# Altium PCB HRADC_Board_v2_0.PcbDoc (part 2 of 4)
Units mm, origin at the board's own origin, x right, y up, seen from the top; angles counter-clockwise.
Board outline 160 x 100 mm, 4 copper layers (Top Layer, Power Plane, Ground Planes, Bottom Layer); 306 components, 238 nets, 1267 pads, 372 vias.
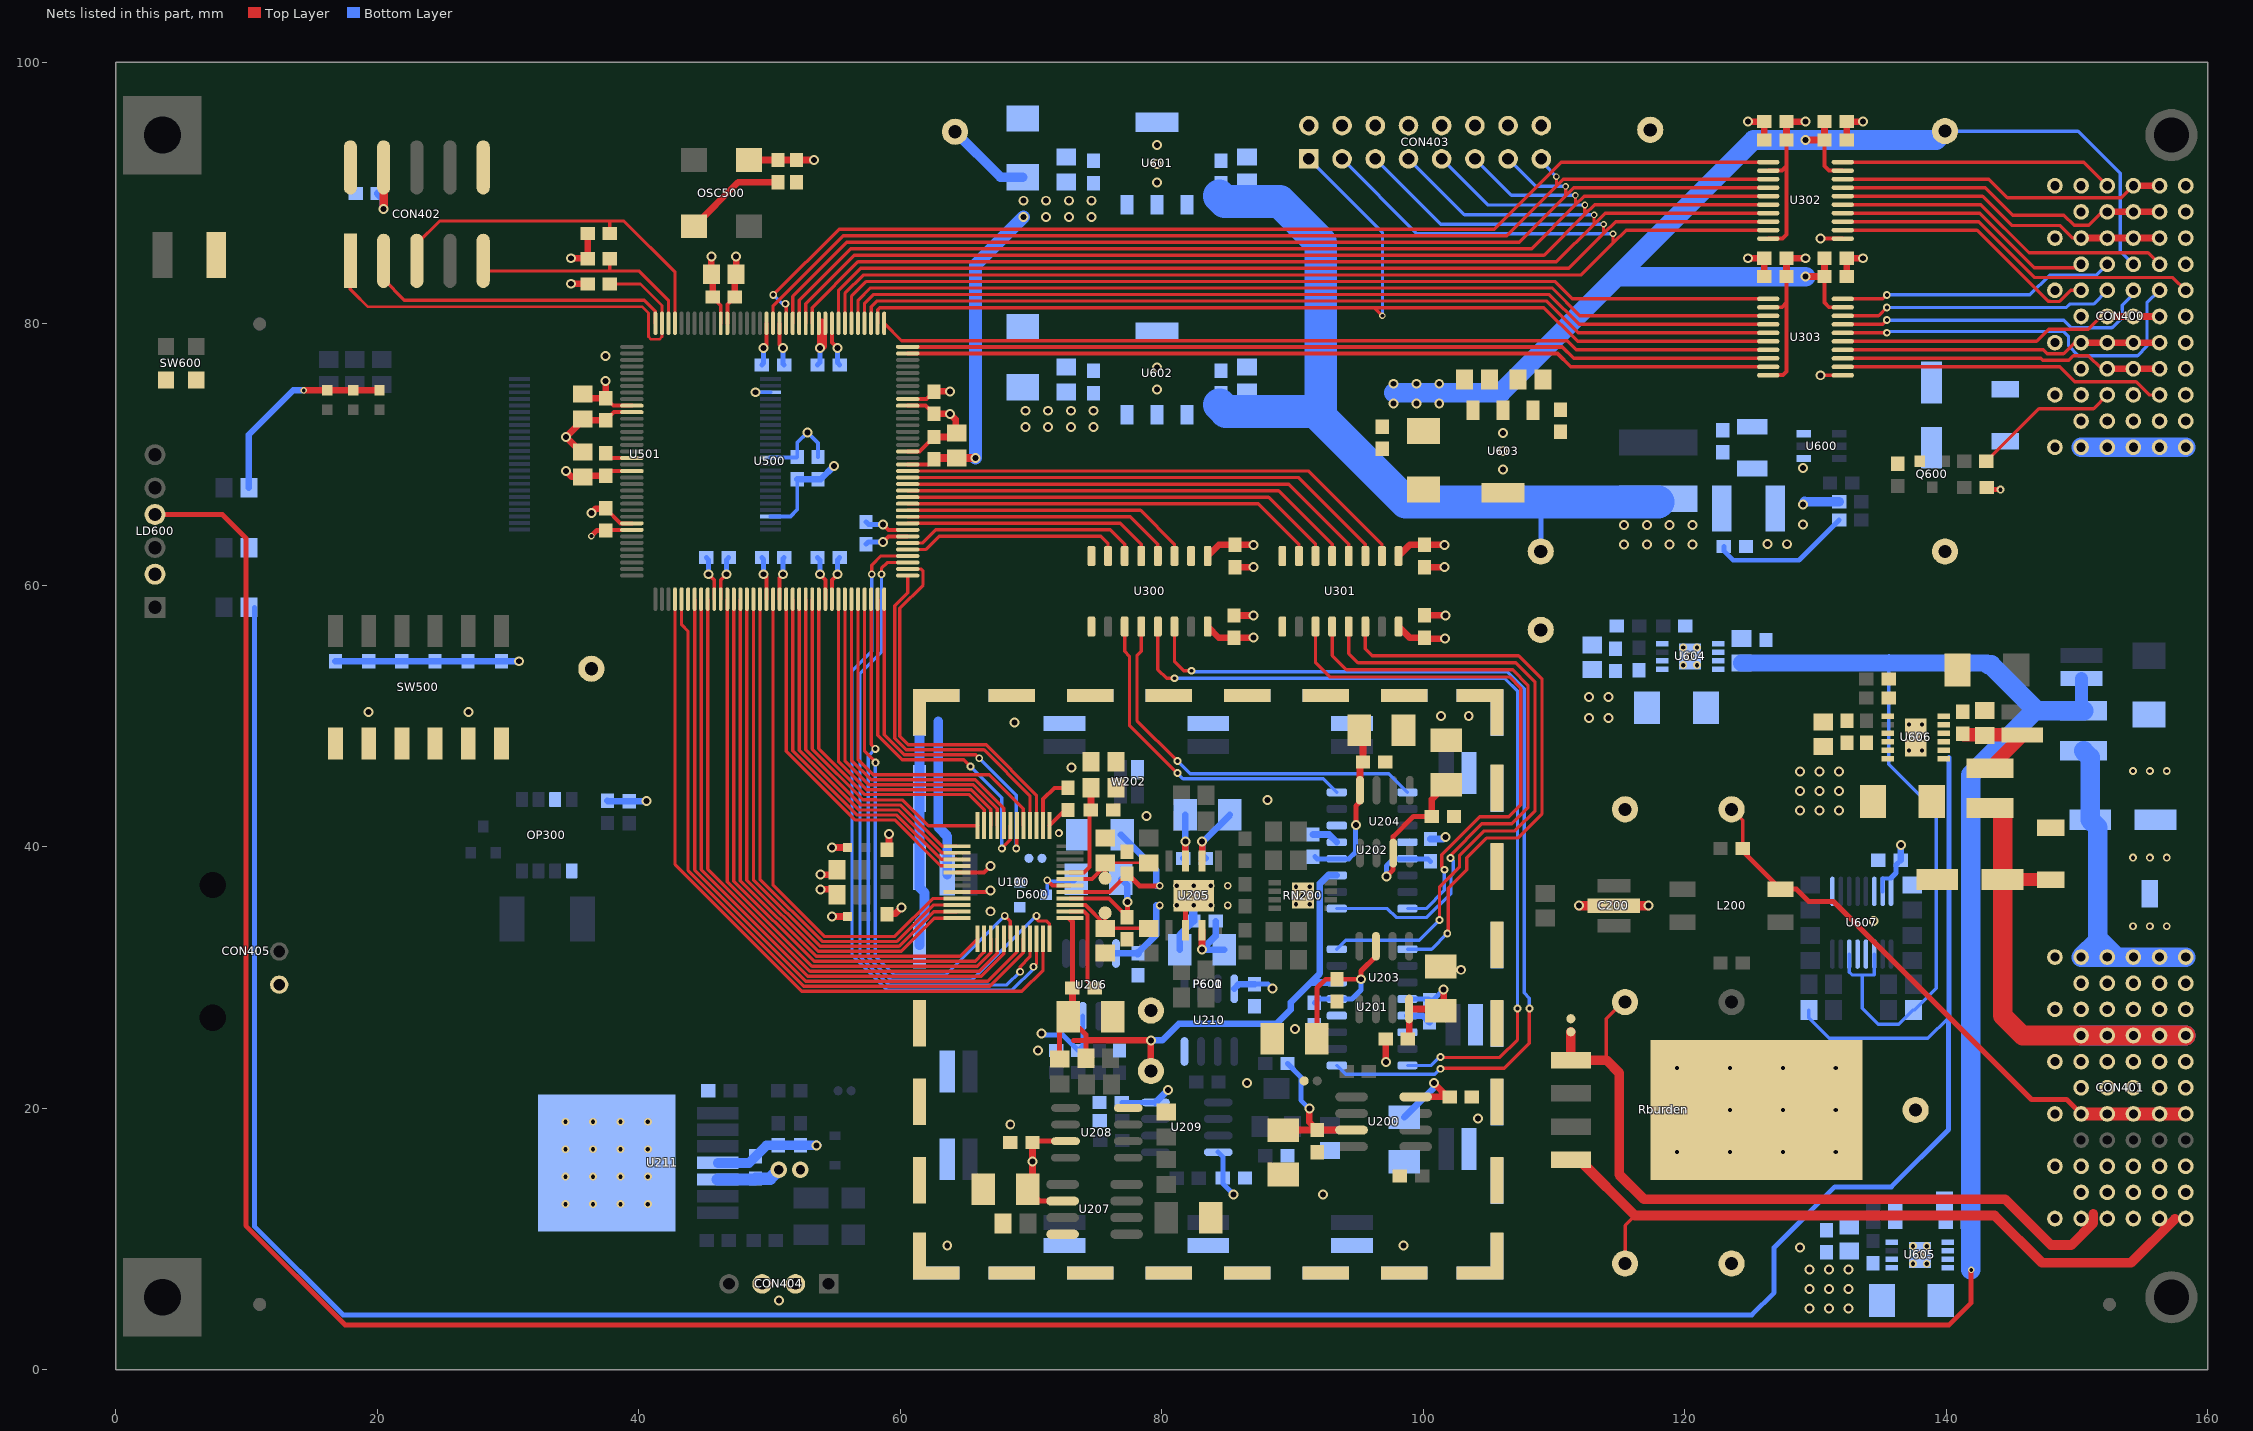
[diagram p4: the nets of this part, all layers, seen from the top]

## Part data
C100 C102 C105 C106 C512 C513 C514 C515: "Tantalum Capacitor 10uF 16V 10% SMD R"
C101 C103 C104 C107 C109 C111 C113 C202 C204 C206 C207 C208 C209 C210 C212 C214 C216 C221 C223 C227 C229 C235 C236 C237 C238 C239 C242 C243 C300 C301 C302 C303 C304 C307 C308 C311 C400 C500 C501 C502 C503 C504 C505 C506 C507 C508 C509 C510 C511 C516 C519 C603 C604 C605 C607 C609 C612 C614 C617 C619 C622 C626 C630 C631 C636 C639 C644 C645: "Ceramic Capacitor 100nF 50V 10% SMD 0603 X7R"
C108 C110 C203 C205 C211 C213 C215 C217 C222 C224: "Tantalum Capacitor 10uF 25V 10% SMD B Low ESR"
C112: "Tantalum Capacitor 47uF 6.3V 20% SMD B Low ESR"
C200: "Ceramic X2Y Capacitor 1uF 16V 20% SMD 1210"
C201: "Ceramic Chip Capacitor SMD 0805"
C218 C219 C225 C226: "Ceramic Capacitor 3.3nF 50V 1% SMD 0805 NP0"
C220: "Ceramic Chip Capacitor SMD 0603"
C228: "Ceramic Capacitor 2.7nF 50V 2% SMD 0603 NP0"
C230 C232: "Tantalum Capacitor 2.2uF 35V 20% SMD B Low ESR"
C231 C233 C608 C613 C618 C625 C629 C632 C635 C640 C643: "Ceramic Capacitor 1uF 25V 10% SMD 0805 X5R"
C234 C611 C616 C621: "Ceramic Capacitor 10uF 50V 10% SMD 1206 JB"
C240: "Ceramic Chip Capacitor SMD 1206"
C241: "Ceramic Chip Capacitor SMD 1210"
C305 C306 C309 C310 C517 C518: "Ceramic Capacitor 2.2uF 25V 10% SMD 0603 JB"
C600: "Ceramic Chip Capacitor SMD 1808"
C601 C623 C637: "Aluminum-Polymer Capacitor 100uF 25V 20% SMD D8 Low ESR"
C602: "Ceramic Capacitor 22uF 25V 10% SMD 1210 X5R"
C606: "Ceramic Capacitor 47uF 10V 20% SMD 1812 X5R"
C610 C615 C620 C624 C628 C634 C638 C642: "Tantalum Capacitor  22uF 25V 20% SMD C Low ESR"
C627 C633 C641: "Ceramic Capacitor 10nF 50V 5% SMD 0603 X7R"
CON400 CON401: library part ERNI_374047, "ERNI Electronics 55P 2MM R/A FML SHLD DAUG CARD TYPE C"
CON402: "Connector Header 10-pin Male Shrouded; Pitch 2.54mm"
CON403: "Connector Header 16-pin Male, Pitch 2.54mm"
CON404: "Connector Header 4-pin Male Pitch 2.54mm"
CON405: "BNC Jack Right Angle PCB"
D600: "DUAL SURFACE MOUNT SCHOTTKY BARRIER DIODE"
D601 D602 D603: "Transient Voltage Suppressor Diode (Uni-Directional)"
L200: "SMD Common Mode Line Filter"
L600 L601 L602: "Semi-shielded Power Inductor"
LD500 LD501 LD502: library part LTST-C193KFKT-5A, "LED ORANGE RECT CLEAR 0603"
LD600: "LED CBI 3MM YW/GN/GN TRI LEVEL"
OP300: "Optocoupler, Phototransistor Output, Dual Channel,  SOIC-8 Package"
OSC500: "Oscillator 4 pins 1=OE 2=GND 3=OUT 4=VCC"
P600 P601: library part EMI_Shield
PT100 PT101: library part TestPoint_PAD, "Test Point Pad"
PT102 PT103 PT200 PT201 PT202 PT203 PT600 PT601 PT602 PT603 PT604 PT605 PT606 PT607 PT608 PT609: library part TestPoint_PTH, "Test Point Wire Termination Pin"
Q300: "N-Channel Enhancement Mode Vertical DMOS FET"
Q600: "NPN General Purpose Transistor"
R200 R201 R226 R227: "Chip Resistor SMD 0603"
R202 R203 R214 R215: "Resistor 200R 0.1% 0.1W SMD 0603"
R204 R205 R206 R207 R208 R209 R216 R217 R220: "Resistor 1k5 0.1% 0.125W SMD 0805"
R210 R211: "Resistor 0R (Jumper) 2A SMD 0603"
R212 R213: "Resistor 12R 0.1% 0.1W SMD 0805"
R218: "Resistor 9R1 1% 0.125W SMD 0805"
R219: "Resistor 20k 0.5% 0.1W SMD 0603"
R221 R222 R223 R224 R225 R228 R506 R507 R603 R605: "Resistor 10k 0.5% 0.1W SMD 0603"
R229: "Resistor 47k5 1% 0.1W SMD 0603"
R230 R231 R232 R233 R234 R235 R236 R237 R238 R239 R240 R241: "Resistor 620R 1% 0.5W SMD 1206 (Wide)"
R300: "Resistor 402R 1% 0.1W SMD 0603"
R301: "Resistor 7k5 5% 1W SMD 2512"
R302 R500 R501 R502 R503 R504 R505 R622: "Resistor 4k7 1% 0.1W SMD 0603"
R508: "Resistor 1k 1% 0.1W SMD 0603"
R509 R510 R511 R600: "Resistor 240R 1% 0.125W SMD 0805"
R601 R602: "Resistor 1k3 5% 0.5W SMD 0805"
R604: "Resistor 75k 0.5% 0.1W SMD 0603"
R606 R611: "Resistor 1R 1% 1W SMD 1206 (Wide)"
R607: "Resistor 14k 0.1% 0.1W SMD 0603"
R608 R610: "Resistor 4k42 0.1% 0.1W SMD 0603"
R609: "Resistor 47k 0.1% 0.1W SMD 0603"
R612: "Resistor 127k 0.1% 0.1W SMD 0603"
R613: "Resistor 12k1 0.1% 0.1W SMD 0603"
R614: "Resistor 412k 0.1% 0.25W SMD 0805"
R615 R619: "Resistor 2M 0.1% 0.1W SMD 0805"
R616: "Resistor 5k23 0.1% 0.125W SMD 0805"
R617 R621: "Resistor 80k6 0.1% 0.125W SMD 0805"
R618: "Resistor 576k 0.1% 0.125W SMD 0805"
R620: "Resistor 5k1 0.1% 0.125W SMD 0805"
Rburden: "Ultra High Precision Bulk Metal® Z-Foil Surface Mount Power Resistor in TO-220"
RN200: "Quad Matched Resistor Network 1k 15% 0.8W CMRR-Matching 0.015% SMD MSOP-8"
SW500: "Surface Mount  DIP Switch 6 positions"
SW600: "7914 4 mm SMD & Through-hole Sealed Key Switch"
TR200: "Vertical Trimpot 1k 10% 0.25W 11 Turns SMD Gull Wing"
U100: "18-Bit, 670 kSPS, Differential Programmable Input PulSAR ADC"
U200: "Precision Gain = 10 Differential Amplifier"
U201 U202: "Quad, Rail-to-Rail, Fault-Protected, SPST Analog Switches"
U203 U204: "1.1nV/vHz Noise, Low Power, Precision Operational Amplifier"
U205: "LME49724 High Performance, High Fidelity, Fully-Differential Audio Operational Amplifier"
U206 U208 U209: "High Precision, Low Noise Operational Amplifiers"
U207: "1ppm/°C, Low-Noise, +5V Voltage Reference"
U210: "Precision Centigrade Temperature Sensor"
U211: "High-Voltage, High-Current Operational Amplifier"
U300 U301: "LOW POWER SIX-CHANNEL DIGITAL ISOLATOR"
U302 U303: "8-BIT BIDIRECTIONAL VOLTAGE-LEVEL TRANSLATOR  WITH AUTO-DIRECTION SENSING AND ±15-kV ESD PROTECTION"
U500: "MAX V 1.8V CPLD, 114 IOs, 1270 Logic Elements, 144-Pin TQFP, Commercial Temperature, Speed Grade 4, Pb-Free"
U501: "16 Megabit (2 M x 8-Bit/1 M x 16-Bit)"
U600: "4.5 V to 17 V Input, 2A/3A Synchronous Step-Down Voltage Regulator"
U601: "1.5 A, Low Noise, Fast Transient Response LDO Regulator, 2.1 to 20 V Vin, 1.8 V Vout, 3-pin SOT223 (ST-3), -40 to 125 degC, Pb-Free, Tape and Reel"
U602: "1.5 A, Low Noise, Fast Transient Response LDO Regulator, 2.1 to 20 V Vin, 3.3 V Vout, 3-pin SOT223 (ST-3), -40 to 125 degC, Pb-Free, Tape and Reel"
U603: "Micropower Low Dropout Regulator with Shutdown, 4.15 to 30 V Vin, 5 V Vout, 3-pin SOT223 (ST-3), 0 to 125 degC, Pb-Free, Tape and Reel"
U604 U605: "1.1A, Low Noise,  Low Dropout Linear Regulator"
U606: "1.5A, Low Noise,  Negative Linear Regulator  with Precision Current Limit"
U607: "+ / - 0.8% Accurate Quad UV / OV Positive / Negative Voltage Supervisor, 125 ns Delay, Industrial, 16-pin SOP (RQ-16), Tube"
W200 W201 W203 W600: "Solder Jumper 1-Pole 1-Throw"
W202: "Solder Jumper 2-Poles 1-Throw"

## Free pads (board coordinates)
  rect 6x6 hole 2.8: 0(3.57,5.55)
  round 4 hole 2.7: 0(157.24,5.55) 0(157.24,94.45)

## Via types
v1: diameter 0.762, hole 0.457, Top Layer to Bottom Layer, 181 vias
v2: diameter 0.5, hole 0.3, Top Layer to Bottom Layer, 75 vias
v3: diameter 0.6, hole 0.33, Top Layer to Bottom Layer, 36 vias
v4: diameter 0.6, hole 0.33, Top Layer to Bottom Layer, tented bottom, 27 vias
v5: diameter 0.6, hole 0.33, Top Layer to Bottom Layer, tented top, 26 vias
v6: diameter 0.6, hole 0.3, Top Layer to Bottom Layer, 19 vias
v7: diameter 0.6, hole 0.3, Top Layer to Bottom Layer, tented bottom, 6 vias
v8: diameter 1.27, hole 0.711, Top Layer to Bottom Layer, 2 vias

## Nets (pads, with @x,y where several pads share a name; then routed paths per layer and width w, separated by ;. In a path a pad name is that pad's centre, name@x,y a point inside that pad or via, vN(x,y) a via of type N, cw(c..) or ccw(c..) an arc to the next point about the centre after c; other vN are vias at no path point)
+1.8V-DIG: C500.2 C501.2 C502.2 C503.2 C514.1 C515.1 C610.1 C611.2 C612.2 PT601.1 U500.19 U500.56 U500.90 U500.126 U601.3 | length 44
  Top Layer w0.3: C502.2@37.475,68.4 37.825,68.75 U500.56@39.475,68.75 ; v1(49.55,60.855) 49.775,60.63 U500.90@49.775,58.95 ; v1(49.55,78.145) 49.775,78.37 U500.19@49.775,80.05 ; U500.126@60.575,69.25 62.175,69.25 C500.2@62.575,69.65
  Top Layer w0.508: v1(34.425,68.75) 34.875,68.3 35.625,68.3 35.725,68.4 C502.2@37.475,68.4 ; C500.2@62.575,69.65 C500.2@62.675,69.75
  Top Layer w0.635: C500.2@62.675,69.75 C515.1@64.325,69.75 v1(65.75,69.75)
  Bottom Layer w0.381: C503.2@49.42,76.875 49.55,77.005 v1(49.55,78.145) ; C501.2@49.425,62.125 49.55,62 v1(49.55,60.855)
  Bottom Layer w0.75: PT601.1@64.2,94.7 67.675,91.225 C610.1@69.375,91.225
  Bottom Layer w1: v1(65.75,69.75) 65.75,84.5 v1(69.425,88.175)
  other v1: 71.167,88.175 72.908,88.175 74.65,88.175 69.425,89.425 71.167,89.425 72.908,89.425 74.65,89.425
+3.3V-DIG: C300.1 C302.1 C304.2 C305.2 C308.2 C309.2 C400.2 C504.2 C505.2 C506.2 C507.2 C508.2 C509.2 C510.2 C511.2 C512.1 C513.1 C516.1 C517.2 C518.2 C519.1 C615.1 C616.2 C617.2 CON402.4 L101.2 LD500.2 LD501.2 LD502.2 OSC500.4 PT602.1 R300.2 R302.2 R500.1 R501.1 R502.1 R503.1 R504.1 R505.1 R506.1 R507.2 R600.2 U300.1 U301.1 U302.2 U302.10 U303.2 U303.10 U500.9 U500.25 U500.46 U500.64 U500.82 U500.100 U500.116 U500.136 U501.37 U602.3 | length 118.9
  Top Layer w0.3: C504.2@37.475,65.9 37.475,65.875 38.6,64.75 U500.64@39.475,64.75 ; C505.2@37.475,74.325 38.05,73.75 U500.46@39.475,73.75 ; v1(45.35,60.855) 45.775,60.43 U500.82@45.775,58.95 ; U500.25@46.775,80.05 46.775,81.475 C510.2@47.35,82.05 ; U500.100@54.775,58.95 54.775,60.43 v1(55.2,60.855) ; U500.9@54.775,80.05 54.775,78.57 v1(55.2,78.145) ; v1(58.67,64.675) 59.095,64.25 U500.116@60.575,64.25 ; U500.136@60.575,74.25 62,74.25 C508.2@62.575,74.825 ; U303.10@126.4,76.075 126.425,76.1 127.525,76.1 127.8,76.375 127.8,81.625 ; U303.2@126.4,81.275 127.45,81.275 127.8,81.625 ; U302.10@126.4,86.525 127.475,86.525 127.8,86.85 127.8,92.075 ; U302.2@126.4,91.725 127.45,91.725 127.8,92.075 ; C309.2@127.8,83.625 127.8,81.625 ; C304.2@127.8,94.075 127.8,92.075
  Top Layer w0.508: v2(14.375,74.925) LD502.2@16.17,74.925 LD501.2@18.17,74.925 LD500.2@20.17,74.925 ; v1(34.825,85.025) R507.2@36.095,85.025 ; C512.1@35.725,74.625 36.025,74.325 C505.2@37.475,74.325 v1(37.475,75.625) ; R507.2@35.832,84.987 R507.2@36.095,84.987 R506.1@36.095,86.925 ; v1(36.375,65.525) 36.725,65.875 37.45,65.875 C504.2@37.475,65.9 ; C510.2@47.35,82.05 47.35,83.7 C513.1@47.45,83.8 v1(47.45,85.175) ; OSC500.4@48.425,92.54 C519.1@50.645,92.54 C518.2@52.07,92.54 v1(53.4,92.54) ; v1(54.8,39.95) L101.2@55.975,39.95 ; C508.2@62.575,74.825 62.6,74.85 v1(63.8,74.85) ; U300.1@83.52,62.25 84.37,63.1 C300.1@85.6,63.1 v1(87.02,63.1) ; U301.1@98.12,62.25 98.97,63.1 C302.1@100.12,63.1 v1(101.625,63.1) ; C309.2@127.8,83.625 C308.2@127.8,85.025 v1(129.25,85.025) ; C304.2@127.8,94.075 C305.2@127.8,95.475 v1(129.25,95.475)
  Top Layer w0.635: v1(20.485,88.785) CON402.4@20.485,91.975
  Bottom Layer w0.3: U501.37@50.095,69.775 52.075,69.775 C517.2@52.125,69.825 52.125,70.925 v1(52.9,71.7) 53.7,70.9 C516.1@53.7,69.825
  Bottom Layer w0.381: C507.2@45.175,62.125 45.35,61.95 v1(45.35,60.855) ; v1(55.2,60.855) 55.2,61.95 C506.2@55.375,62.125 ; v1(55.2,78.145) 55.2,77.05 C511.2@55.375,76.875 ; C509.2@57.4,64.85 57.575,64.675 v1(58.67,64.675)
  Bottom Layer w0.508: R600.2@10.175,67.46 10.175,71.525 13.575,74.925 v2(14.375,74.925) ; R505.1@16.8,54.2 R504.1@19.35,54.2 R503.1@21.875,54.2 R502.1@24.425,54.2 R501.1@26.95,54.2 R500.1@29.5,54.2 v1(30.825,54.2) ; R302.2@37.6,43.525 37.625,43.5 R300.2@39.275,43.5 v1(40.6,43.5)
  Bottom Layer w0.635: C400.2@20.05,89.985 20.485,89.55 v1(20.485,88.785)
  other v1: 69.575,72.11 71.317,72.11 73.058,72.11 74.8,72.11 69.575,73.36 71.317,73.36 73.058,73.36 74.8,73.36
+5V-AN: C100.1 C101.1 C102.1 C103.2 C301.2 C303.2 C628.1 C629.2 C630.2 C645.2 PT604.1 R607.2 U100.2 U100.44 U300.16 U301.16 U604.1 U604.2 U607.15 U607.16 | length 24.4
  Top Layer w0.3: U100.2@70.925,41.625 70.925,43.655 71.789,44.519 C101.1@72.85,44.519 ; U100.44@73,38.05 74.067,38.05 74.493,38.476 74.493,42.729 C103.2@74.583,42.819
  Top Layer w0.508: C103.2@74.583,42.819 74.595,42.831 C102.1@74.595,44.519 ; U300.16@83.52,56.85 84.37,56 C301.2@85.52,56 v1(87.02,56) ; U301.16@98.12,56.85 98.985,55.985 C303.2@100.12,55.985 100.18,55.925 v1(101.67,55.925)
  Bottom Layer w0.3: U607.15@135.15,36.6 135.15,37.575 135.79,37.575 U607.16@135.79,37.62
  Bottom Layer w0.381: U607.16@135.79,37.62 136.17,38 136.17,38.62 C645.2@136.525,38.975
  Bottom Layer w0.508: C645.2@136.525,38.975 136.525,39.405 136.545,39.425 v1(136.545,40.15)
  other v1: 73.12,46.075 112.675,49.875 114.175,49.875 112.675,51.45 114.175,51.45
+5V-DIG: C306.2 C307.1 C310.2 C311.1 C620.1 C621.2 C622.2 CON400.C4 L100.2 PT603.1 U302.19 U303.19 U603.3 | length 101
  Top Layer w0.3: C310.2@130.7,83.625 130.7,81.625 131.05,81.275 U303.19@132.1,81.275 ; C307.1@130.7,94.075 130.7,92.075 131.05,91.725 U302.19@132.1,91.725
  Top Layer w0.508: v1(54.8,34.675) L100.2@55.975,34.675 ; v1(129.25,83.625) C310.2@130.7,83.625 C311.1@130.7,85.025 ; v1(129.25,94.075) C307.1@130.7,94.075 C306.2@130.7,95.475
  Bottom Layer w0.254: PT603.1@139.925,94.75 150.1,94.75 153.325,91.525 153.325,85.577 CON400.C4@154.33,84.572
  Bottom Layer w1.5: 97.75,74.75 105.975,74.75 ; 105.95,74.75 125.275,94.075 v1(129.25,94.075) 139.25,94.075 PT603.1@139.925,94.75 ; 114.85,83.625 v1(129.25,83.625)
  other v1: 97.75,73.925 99.492,73.925 101.233,73.925 97.75,75.425 99.492,75.425 101.233,75.425
+6.5V-DIG: C606.2 C607.1 C608.2 C609.2 C613.2 C614.2 C618.2 C619.2 L600.2 PT600.1 R604.2 U601.1 U602.1 U603.1 | length 73.8
  Bottom Layer w0.381: 107.366,66.35 107.391,66.375 ; PT600.1@109,62.6 109,66.375 ; C607.1@123,62.975 123,62.645 123.72,61.925 128.75,61.925 R604.2@131.825,65
  Bottom Layer w2.5: 84.4,89.785 84.825,89.36 89.025,89.36 92.175,86.21 92.175,72.875 ; 84.425,73.81 84.925,73.31 91.74,73.31 92.175,72.875 ; L600.2@117.97,66.375 109,66.375 107.391,66.375 98.675,66.375 92.175,72.875
  other v1: 115.37,63.125 117.112,63.125 118.853,63.125 120.595,63.125 115.37,64.625 117.112,64.625 118.853,64.625 120.595,64.625
+14V-AN: C108.1 C109.2 C202.2 C203.1 C206.1 C208.1 C210.1 C211.1 C214.1 C215.1 C221.1 C222.1 C227.1 C232.1 C235.1 C237.2 C238.1 C242.2 C634.1 C635.2 C636.2 PT605.1 R219.2 R609.2 U100.40 U200.7 U201.13 U202.13 U203.7 U204.7 U205.3 U206.7 U207.2 U208.7 U209.8 U210.8 U211.5 U605.1 U605.2 | length 81.8
  Top Layer w0.3: U100.40@73,36.05 75.971,36.05 C109.2@77.375,34.646
  Top Layer w0.381: C232.1@69.77,13.81 70.67,12.91 U207.2@72.42,12.91 ; C235.1@70.235,17.49 U208.7@72.645,17.49 ; C109.2@77.375,34.646 v1(77.375,35.775) ; U205.3@81.815,38.929 81.815,39.79 ; C211.1@91.875,25.325 91.875,29.2 92.55,29.875 C210.1@93.4,29.875 v1(95.25,29.875) 95.25,30.5 96.39,31.64 U203.7@96.39,32.4 ; v1(97.2,37.75) 97.71,38.26 U204.7@97.71,39.525 97.71,40.785 99.25,42.325 C214.1@100.66,42.325
  Top Layer w0.508: C232.1@69.77,13.81 70.12,14.16 v1(70.12,15.925) C235.1@70.12,17.375 C235.1@70.235,17.49 ; U205.3@81.815,38.929 v1(81.815,40.4) ; C203.1@89.3,18.34 C202.2@91.9,18.34 ; v1(91.3,19.975) 91.3,18.94 C202.2@91.9,18.34 ; U200.7@94.525,18.34 C202.2@91.9,18.34 ; C214.1@100.66,42.325 100.66,43.635 C215.1@101.775,44.75
  Bottom Layer w0.381: v1(70.8,25.725) 70.925,25.6 72.45,25.6 C227.1@73.625,24.425 73.965,24.765 U206.7@73.965,27.05 ; U209.8@84.325,16.645 84.675,16.295 C238.1@84.675,14.656 84.675,14.25 v1(85.5,13.425) ; C237.2@87.1,29.5 88.15,29.5 v1(88.475,29.175) ; R219.2@89.625,23.425 90.65,22.4 90.65,20.625 v1(91.3,19.975) ; C206.1@91.675,28.075 91.96,28.36 U201.13@93.4,28.36 94.56,28.36 95.25,29.05 v1(95.25,29.875) ; v1(97.2,37.75) 97.2,38.55 97.74,39.09 U202.13@98.8,39.09 100.36,39.09 C208.1@100.55,38.9
  Bottom Layer w0.508: C108.1@76.92,37.525 77.375,37.07 v1(77.375,35.775) ; C221.1@81.66,39.121 81.815,39.276 v1(81.815,40.4) C222.1@81.815,42.45 ; U210.8@85.555,29.15 85.905,29.5 C237.2@87.1,29.5
  Bottom Layer w0.9: C242.2@48.87,14.555 C242.2@48.945,14.63
  Bottom Layer w0.95: U211.5@46.05,14.555 C242.2@48.87,14.555 ; C242.2@48.945,14.63 50.055,14.63 v8(50.72,15.295)
  other v1: 129.545,4.685 131.045,4.685 132.545,4.685 129.545,6.185 131.045,6.185 132.545,6.185 129.545,7.685 131.045,7.685 132.545,7.685
  other v8: 52.37,15.295
+15V-AN: C623.1 CON401.A1 CON401.B1 CON401.C1 CON401.D1 CON401.E1 D602.1 L601.1 | length 28.1
  Bottom Layer w1.5: L601.1@150.525,47.35 151.025,46.85 C623.1@151.025,42.075 151.615,41.485 D602.1@151.615,36.4 151.615,32.857 CON401.E1@150.33,31.572 CON401.A1@158.33,31.572 ; 151.615,32.985 153.028,31.572 CON401.C1@154.33,31.572
+15V-AN_FILT: C625.2 C626.2 C631.2 C632.2 L601.2 LD600.4 R606.2 R614.1 U604.6 U604.7 U604.8 U605.6 U605.7 U605.8 U607.3 U607.6 | length 316.7
  Top Layer w0.381: LD600.4@3,65.43 8.15,65.43 9.95,63.63 9.95,11.025 17.531,3.444 140.244,3.444 141.925,5.125 v2(141.925,7.65)
  Bottom Layer w0.254: U607.6@132.59,31.8 132.59,30.47 132.57,30.45 132.82,30.2 134.51,30.2 U607.3@134.51,31.8 ; 133.6,30.175 133.6,27.65 134.825,26.425 136.4,26.425 R614.1@137.5,27.525 137.595,27.525 139.245,29.175 139.245,42.7 135.625,46.32 135.625,54.645 136.345,53.925
  Bottom Layer w0.381: 141.445,33.325 141.875,33.325
  Bottom Layer w1: R606.2@150.35,52.875 150.35,50.575 L601.2@150.525,50.4
  Bottom Layer w1.3: C625.2@124.35,54.05 143.15,54.05 143.275,53.925
  Bottom Layer w1.5: v2@141.875,7.65 141.875,27.525 141.875,33.325 141.875,45.5 146.675,50.3 ; 143.275,53.925 143.45,53.925 146.975,50.4 L601.2@150.525,50.4
+15V-DIG: C601.1 C602.1 C603.1 CON400.A11 CON400.B11 CON400.C11 CON400.D11 CON400.E11 D601.1 R603.2 U600.3 | length 9.1
  Top Layer w0.254: R603.2@143.105,67.5 R603.2@143.28,67.325
  Top Layer w0.381: R603.2@143.28,67.325 v3(144.17,67.325)
  Bottom Layer w1.5: CON400.E11@150.33,70.572 CON400.D11@152.33,70.572 CON400.C11@154.33,70.572 CON400.B11@156.33,70.572 CON400.A11@158.33,70.572
-14V-AN: C110.2 C111.1 C204.2 C205.2 C207.2 C209.2 C212.1 C213.2 C216.1 C217.2 C223.1 C224.2 C229.1 C239.1 C642.2 C643.2 C644.2 PT606.1 R612.2 U100.41 U200.4 U201.4 U202.4 U203.4 U204.4 U205.6 U205.9 U206.4 U209.4 U606.9 U606.10 U606.11 U606.12 | length 58.1
  Top Layer w0.3: U100.41@73,36.55 76.021,36.55 C111.1@77.4,37.929
  Top Layer w0.381: C111.1@77.4,37.929 78.304,37.025 v4@79.6,37.025 ; U205.6@81.815,33.621 U205.9@81.815,35.64 ; v1(94.85,41.675) 94.85,43.125 95.17,43.445 U204.4@95.17,44.325
  Top Layer w0.508: C217.2@95.1,48.925 95.4,48.625 C216.1@95.4,46.5 95.17,46.27 U204.4@95.17,44.325 ; C212.1@98.93,25.307 U203.4@98.93,27.6 101.25,27.6 101.3,27.55 C213.2@101.575,27.825 ; U200.4@99.425,20.88 C204.2@101.62,20.88 ; v1@100.849,21.9 101.869,20.88 C204.2@102.025,20.88 ; C213.2@101.575,27.925 v1(101.575,29.1)
  Bottom Layer w0.381: C239.1@76.95,20.45 U209.4@79.52,20.45 ; C209.2@91.725,39.25 91.885,39.09 U202.4@93.4,39.09 94.315,39.09 94.825,39.6 94.825,41.65 v1(94.85,41.675) ; U201.4@98.8,28.36 100.415,28.36 C207.2@100.5,28.275 100.75,28.275 v1(101.575,29.1)
  Bottom Layer w0.508: U206.4@76.505,31.85 C229.1@78.15,31.85 ; C110.2@76.885,40.925 79.6,38.21 v4@79.6,37.025 ; C229.1@78.175,31.875 79.6,33.3 v4@79.6,35.525 ; U209.4@79.52,20.45 U209.4@79.525,20.455 v1(80.475,21.405) ; C224.2@81.385,32.14 81.385,33.285 C223.1@82.425,34.325 ; C205.2@98.57,19.325 100.825,21.58 v1(100.825,21.95)
  Bottom Layer w0.635: C229.1@78.15,31.85 C229.1@78.175,31.875 ; C223.1@82.425,34.325 82.425,35.5 v4(82.45,35.525)
  other v1: 128.825,42.775 130.325,42.775 131.825,42.775 128.825,44.275 130.325,44.275 131.825,44.275 128.825,45.775 130.325,45.775 131.825,45.775
  other v4: 79.85,35.525 81.15,35.525 83.75,35.525 85.05,35.525 79.85,37.025 81.15,37.025 82.45,37.025 83.75,37.025 85.05,37.025
-15V-AN: C637.2 CON401.A4 CON401.B4 CON401.C4 CON401.D4 CON401.E4 D603.2 L602.1 | length 41.9
  Top Layer w1: C637.2@144.33,37.497 D603.2@148.025,37.497
  Top Layer w1.5: L602.1@144.33,42.675 C637.2@144.33,37.497 144.33,27.1 145.858,25.572 CON401.E4@150.33,25.572 CON401.D4@152.33,25.572 CON401.C4@154.33,25.572 CON401.B4@156.33,25.572 CON401.A4@158.33,25.572
  Bottom Layer w1.5: CON401.E4@150.33,25.572 CON401.D4@152.33,25.572 CON401.C4@154.33,25.572 CON401.B4@156.33,25.572 CON401.A4@158.33,25.572
-15V-AN_FILT: C639.2 C640.2 L602.2 R602.2 R611.2 R618.2 U606.1 U606.2 U606.3 U606.4 U606.5 U606.13 | length 236.9
  Top Layer w1: C639.2@141.275,48.64 141.34,48.575 R611.2@145.825,48.575 145.825,48.5 L602.2@143.35,46.025
  Bottom Layer w0.254: R618.2@129.5,27.525 129.5,26.92 131.07,25.35 138.595,25.35 140.19,26.945
  Bottom Layer w0.381: R602.2@10.6,58.32 10.6,10.975 17.375,4.2 125.15,4.2 126.85,5.9 126.85,9.36 131.49,14 135.815,14 140.19,18.375 140.19,26.945 140.22,26.945 140.22,46.85
  other v7: 137.175,47.375 138.175,47.375 137.175,48.375 138.175,48.375 137.175,49.375 138.175,49.375
ADC_BIPOLAR: U100.36 U500.106 | length 45.8
  Top Layer w0.254: U500.106@57.775,58.95 57.775,47.825 v3(58.1,47.5) ; v3@70.425,34.575 70.425,34.5 70.6,34.325 71.2,34.325 71.425,34.1 U100.36@71.425,32.975
  Bottom Layer w0.254: v3(58.1,47.5) 57.546,46.946 57.546,31.548 59.275,29.819 65.519,29.819 v3(70.425,34.725)
ADC_BUSY: U100.29 U500.80 | length 49.1
  Top Layer w0.254: U500.80@44.775,58.95 44.775,38.264 52.937,30.102 66.203,30.102 67.925,31.824 U100.29@67.925,32.975
ADC_CNVST: U100.35 U500.76 | length 55.5
  Top Layer w0.254: U500.76@42.775,58.95 42.775,38.648 52.464,28.959 69.309,28.959 70.925,30.575 U100.35@70.925,32.975